# KiCad board ciaa_acc.kicad_pcb (continued)
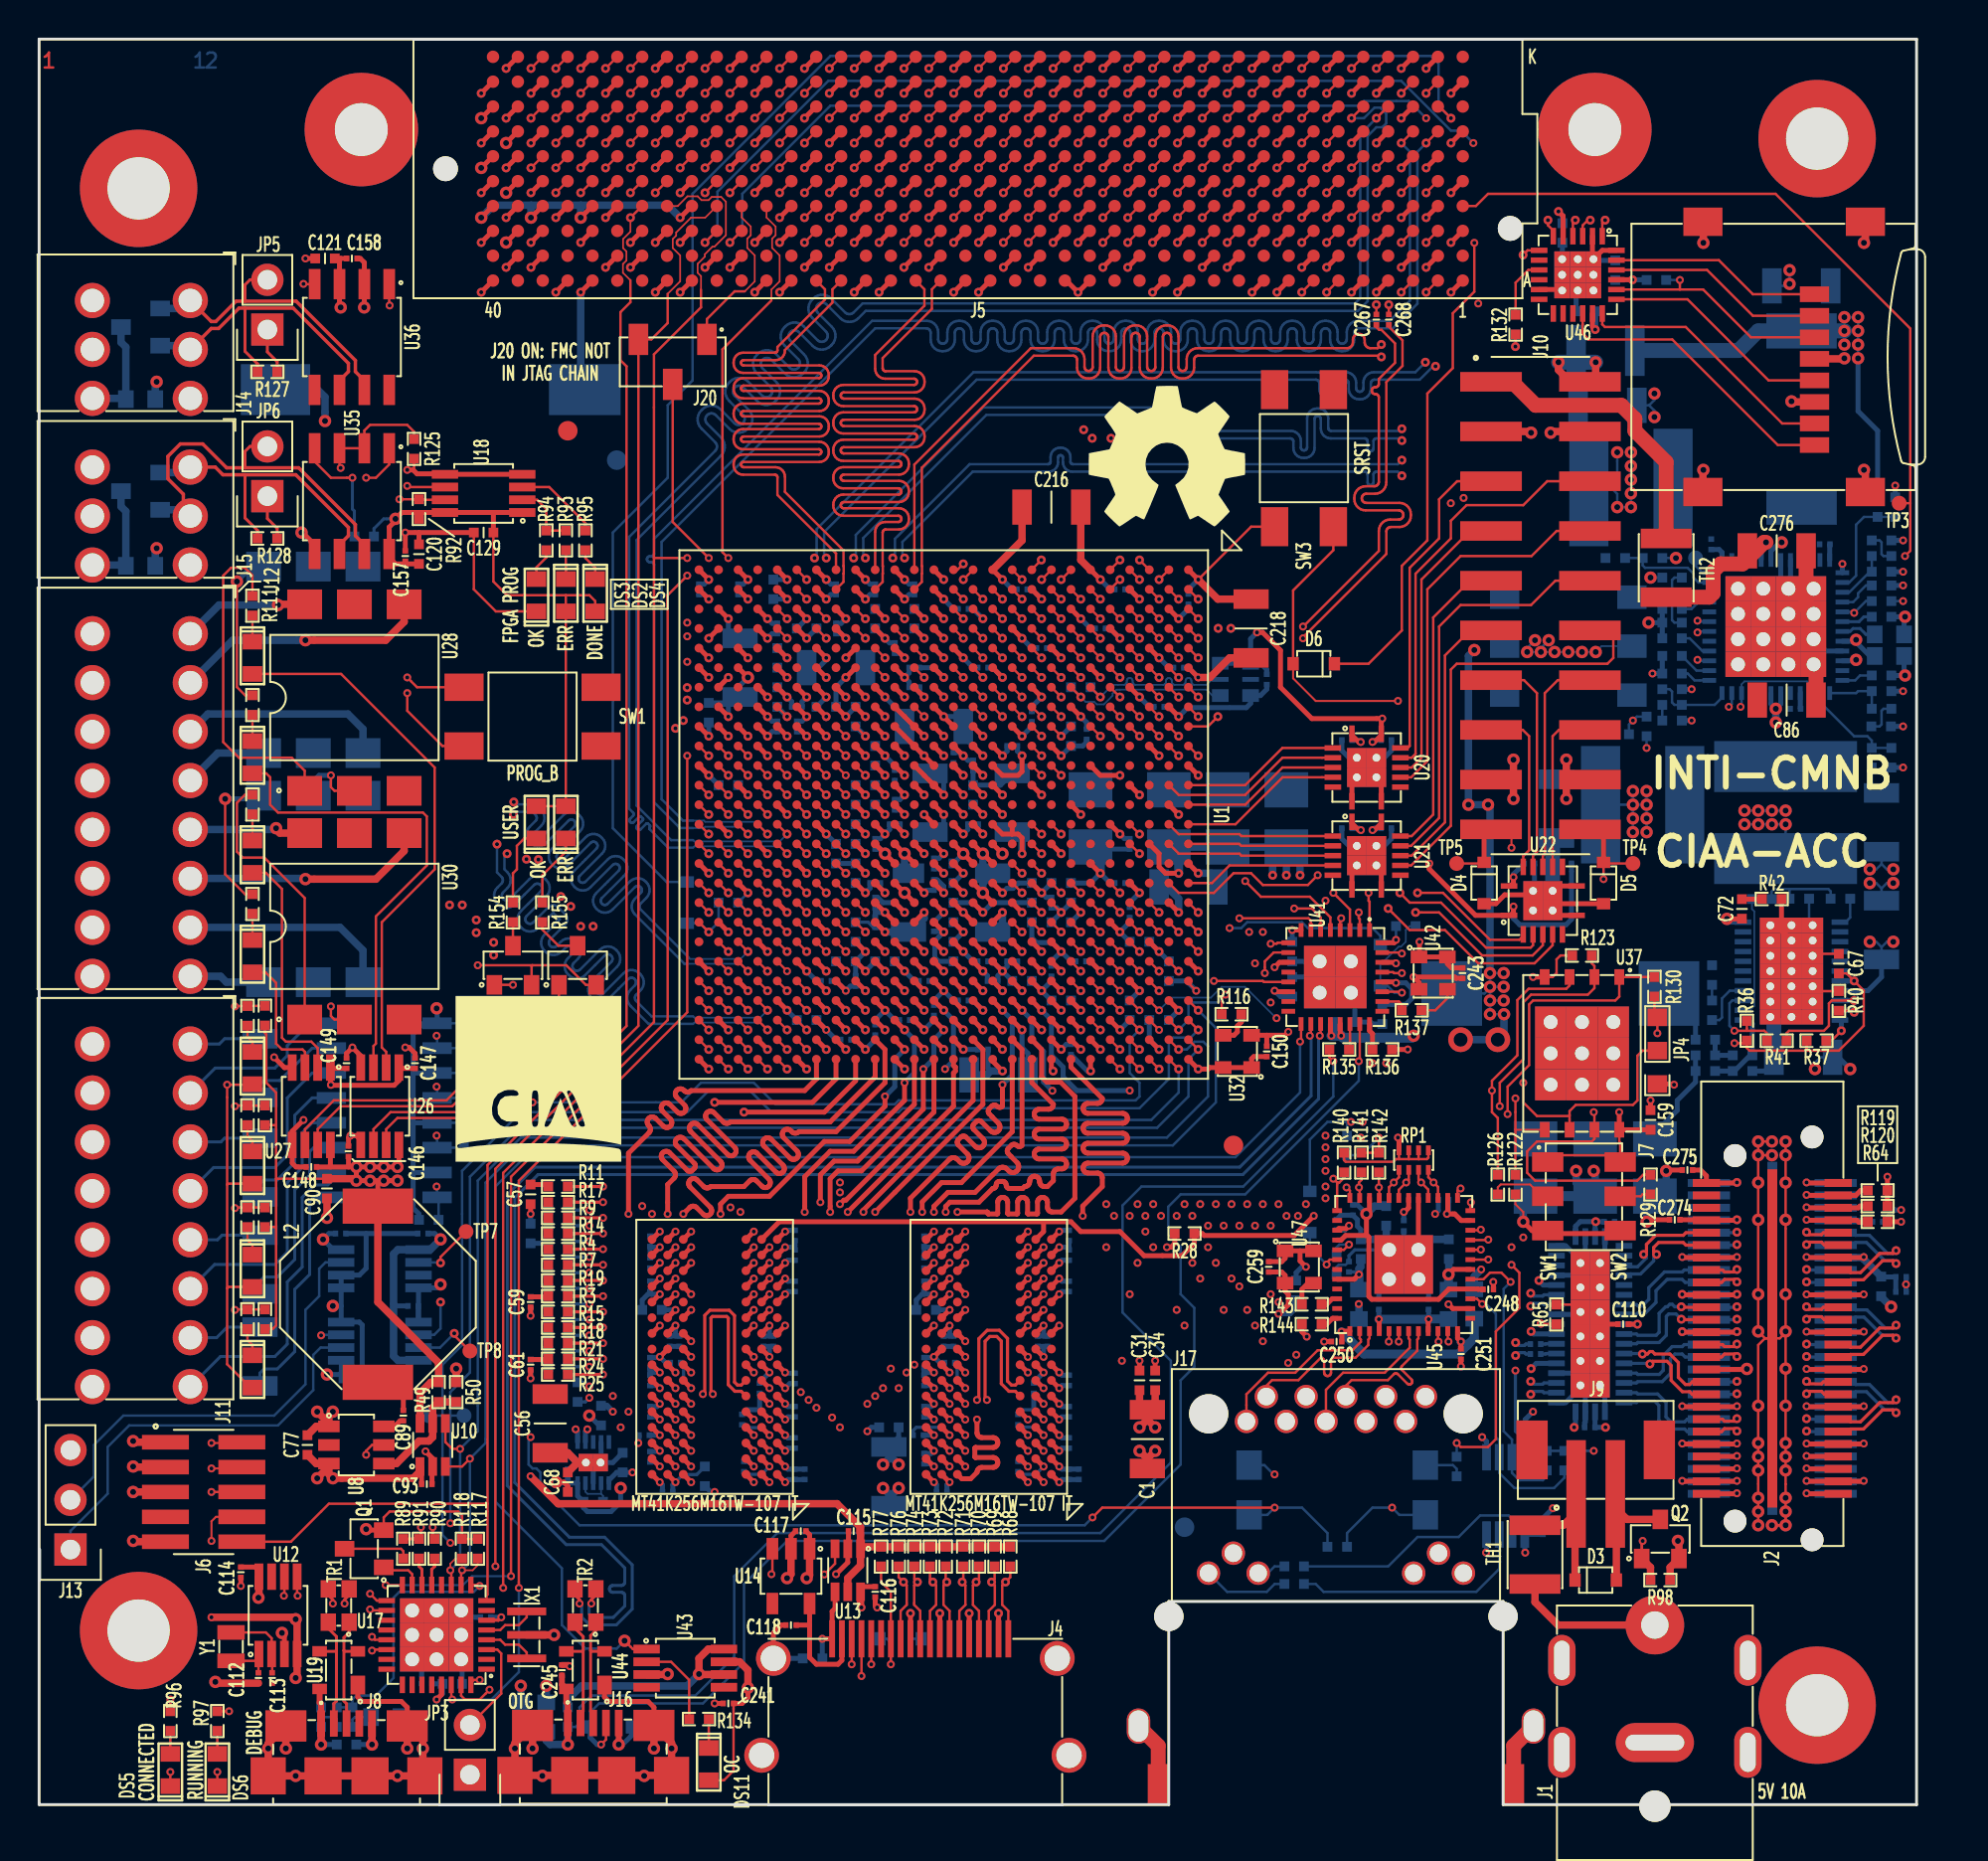
[diagram p0: board, top side]
## Routing (per net, layer and track width the routed paths; a pad name or vN(x,y) marks a point on that pad's centre or on a via; arc(x,y) is an arc through that point) (continued)
/Principal/BANKS_HP/FMC_HA_11_N: length 54.4
  TOP_L1.Sig w0.127: U1.E8 v2(55.2,55.57) ; v2(56.87,87.4) 57.46,88 J5.J13
  L3.Sig w0.089: v2(56.87,87.4) 57.36,86.91 57.36,76.68 63.84,70.2 63.84,68.86 63.68,68.86 63.63,68.86 63.57,68.84 63.52,68.8 63.48,68.76 63.45,68.71 63.43,68.66 63.42,68.6 63.42,68.24 63.43,68.19 63.45,68.13 63.48,68.08 63.52,68.04 63.57,68.01 63.63,67.99 63.68,67.98 64.26,67.98 64.26,67.66 63.98,67.66 63.98,67.66 63.69,67.66 63.63,67.66 63.57,67.64 63.52,67.6 63.48,67.56 63.45,67.51 63.43,67.46 63.42,67.4 63.42,67.04 63.43,66.99 63.45,66.93 63.48,66.88 63.52,66.84 63.57,66.81 63.63,66.79 63.69,66.78 64.26,66.78 64.26,66.46 63.98,66.46 63.98,66.46 63.69,66.46 63.63,66.46 63.57,66.44 63.52,66.4 63.48,66.36 63.45,66.31 63.43,66.26 63.42,66.2 63.42,65.84 63.43,65.79 63.45,65.73 63.48,65.68 63.52,65.64 63.57,65.61 63.63,65.59 63.69,65.58 64.26,65.58 64.26,65.26 63.98,65.26 63.98,65.26 63.69,65.26 63.63,65.26 63.57,65.24 63.52,65.2 63.48,65.16 63.45,65.11 63.43,65.06 63.42,65 63.42,64.64 63.43,64.59 63.45,64.53 63.48,64.48 63.52,64.44 63.57,64.41 63.63,64.39 63.69,64.38 64.26,64.38 64.26,64.06 63.98,64.06 63.98,64.06 63.69,64.06 63.63,64.06 63.57,64.04 63.52,64 63.48,63.96 63.45,63.91 63.43,63.86 63.42,63.8 63.42,63.44 63.43,63.39 63.45,63.33 63.48,63.28 63.52,63.24 63.57,63.21 63.63,63.19 63.69,63.18 64.26,63.18 64.26,62.86 63.98,62.86 63.98,62.86 63.69,62.86 63.63,62.86 63.57,62.84 63.52,62.8 63.48,62.76 63.45,62.71 63.43,62.66 63.42,62.6 63.42,62.24 63.43,62.19 63.45,62.13 63.48,62.08 63.52,62.04 63.57,62.01 63.63,61.99 63.69,61.98 64.26,61.98 64.26,61.66 63.98,61.66 63.98,61.66 63.69,61.66 63.63,61.66 63.57,61.64 63.52,61.6 63.48,61.56 63.45,61.51 63.43,61.46 63.42,61.4 63.42,61.04 63.43,60.99 63.45,60.93 63.48,60.88 63.52,60.84 63.57,60.81 63.63,60.79 63.69,60.78 63.84,60.78 63.84,60.27 63.84,59.9 63.84,59.88 63.83,59.86 63.82,59.84 63.81,59.83 63.79,59.82 63.77,59.81 63.75,59.81 63.52,59.81 63.5,59.8 63.48,59.8 63.47,59.79 63.45,59.77 63.44,59.76 63.44,59.74 63.43,59.72 63.44,59.7 63.44,59.68 63.45,59.66 63.47,59.65 63.48,59.64 63.5,59.63 63.52,59.63 63.75,59.63 63.77,59.63 63.79,59.62 63.81,59.61 63.82,59.6 63.83,59.58 63.84,59.56 63.84,59.54 63.84,59.52 63.83,59.5 63.82,59.48 63.81,59.47 63.79,59.46 63.77,59.45 63.75,59.45 63.52,59.45 63.5,59.45 63.48,59.44 63.47,59.43 63.45,59.42 63.44,59.4 63.44,59.38 63.43,59.36 63.44,59.34 63.44,59.32 63.45,59.31 63.47,59.29 63.48,59.28 63.5,59.28 63.52,59.27 63.75,59.27 63.77,59.27 63.79,59.26 63.81,59.25 63.82,59.24 63.83,59.22 63.84,59.2 63.84,59.18 63.84,59.16 63.83,59.15 63.82,59.13 63.81,59.12 63.79,59.1 63.77,59.1 63.75,59.1 63.52,59.1 63.5,59.09 63.48,59.09 63.47,59.08 63.45,59.06 63.44,59.05 63.44,59.03 63.43,59.01 63.44,58.99 63.44,58.97 63.45,58.95 63.47,58.94 63.48,58.93 63.5,58.92 63.52,58.92 63.75,58.92 63.77,58.92 63.79,58.91 63.81,58.9 63.82,58.88 63.83,58.87 63.84,58.85 63.84,58.83 63.84,58.63 61.42,56.21 60.5,56.21 60.48,56.19 55.82,56.19 v2(55.2,55.57)
/Principal/BANKS_HP/FMC_HA_11_P: length 54.4
  TOP_L1.Sig w0.127: U1.F9 v2(54.2,54.57) ; v2(58.14,87.4) 58.73,88 J5.J12
  L3.Sig w0.089: v2(54.2,54.57) 54.7,55.07 55.4,55.07 55.7,55.37 55.7,55.72 55.93,55.95 60.48,55.95 60.5,55.93 61.53,55.93 64.12,58.52 64.12,60.8 64.11,60.86 64.09,60.91 64.06,60.96 64.02,61 63.97,61.03 63.92,61.05 63.86,61.06 63.7,61.06 63.7,61.38 64.27,61.38 64.33,61.39 64.39,61.41 64.44,61.44 64.48,61.48 64.51,61.53 64.53,61.59 64.54,61.64 64.54,62 64.53,62.06 64.51,62.11 64.48,62.16 64.44,62.2 64.39,62.24 64.33,62.26 64.27,62.26 63.98,62.26 63.98,62.26 63.7,62.26 63.7,62.58 64.27,62.58 64.33,62.59 64.39,62.61 64.44,62.64 64.48,62.68 64.51,62.73 64.53,62.79 64.54,62.84 64.54,63.2 64.53,63.26 64.51,63.31 64.48,63.36 64.44,63.4 64.39,63.44 64.33,63.46 64.27,63.46 63.98,63.46 63.98,63.46 63.7,63.46 63.7,63.78 64.27,63.78 64.33,63.79 64.39,63.81 64.44,63.84 64.48,63.88 64.51,63.93 64.53,63.99 64.54,64.04 64.54,64.4 64.53,64.46 64.51,64.51 64.48,64.56 64.44,64.6 64.39,64.64 64.33,64.66 64.27,64.66 63.98,64.66 63.98,64.66 63.7,64.66 63.7,64.98 64.27,64.98 64.33,64.99 64.39,65.01 64.44,65.04 64.48,65.08 64.51,65.13 64.53,65.19 64.54,65.24 64.54,65.6 64.53,65.66 64.51,65.71 64.48,65.76 64.44,65.8 64.39,65.84 64.33,65.86 64.27,65.86 63.98,65.86 63.98,65.86 63.7,65.86 63.7,66.18 64.27,66.18 64.33,66.19 64.39,66.21 64.44,66.24 64.48,66.28 64.51,66.33 64.53,66.39 64.54,66.44 64.54,66.8 64.53,66.86 64.51,66.91 64.48,66.96 64.44,67 64.39,67.04 64.33,67.06 64.27,67.06 63.98,67.06 63.98,67.06 63.7,67.06 63.7,67.38 64.27,67.38 64.33,67.39 64.39,67.41 64.44,67.44 64.48,67.48 64.51,67.53 64.53,67.59 64.54,67.64 64.54,68 64.53,68.06 64.51,68.11 64.48,68.16 64.44,68.2 64.39,68.24 64.33,68.26 64.27,68.26 63.98,68.26 63.98,68.26 63.7,68.26 63.7,68.58 63.86,68.58 63.92,68.59 63.97,68.61 64.02,68.64 64.06,68.68 64.09,68.73 64.11,68.79 64.12,68.85 64.12,70.32 57.64,76.79 57.64,86.91 v2(58.14,87.4)
/Principal/BANKS_HP/FMC_HA_12_N: length 54.3
  TOP_L1.Sig w0.127: v2(55.6,83.59) 56.19,84.19 J5.F14 ; U1.A8 v2(59.2,55.57)
  L5.Sig w0.089: v2(55.6,83.59) 56.09,83.1 56.09,77.36 56.09,77.34 56.08,77.31 56.07,77.29 56.05,77.27 56.02,77.25 56,77.24 55.97,77.24 55.94,77.24 55.91,77.23 55.88,77.23 55.86,77.21 55.84,77.19 55.82,77.17 55.81,77.14 55.81,77.11 55.81,77.09 55.82,77.06 55.84,77.04 55.86,77.02 55.88,77 55.91,76.99 55.94,76.99 55.97,76.99 56,76.98 56.02,76.98 56.05,76.96 56.07,76.94 56.08,76.92 56.09,76.89 56.09,76.86 56.09,76.17 57.92,74.34 57.99,74.29 58.07,74.25 58.17,74.23 58.26,74.23 58.35,74.25 58.43,74.29 58.5,74.34 58.89,74.73 58.91,74.75 58.95,74.76 58.98,74.77 59.02,74.77 59.05,74.76 59.08,74.75 59.11,74.73 59.14,74.7 59.15,74.67 59.16,74.63 59.16,74.6 59.15,74.56 59.14,74.53 59.11,74.5 58.73,74.12 58.67,74.05 58.63,73.96 58.61,73.87 58.61,73.78 58.63,73.69 58.67,73.6 58.73,73.53 58.77,73.5 58.84,73.44 58.92,73.4 59.01,73.38 59.11,73.38 59.2,73.4 59.28,73.44 59.35,73.5 59.73,73.88 59.76,73.9 59.8,73.92 59.83,73.92 59.87,73.92 59.9,73.92 59.93,73.9 59.96,73.88 59.98,73.85 60,73.82 60.01,73.78 60.01,73.75 60,73.71 59.98,73.68 59.96,73.65 59.58,73.27 59.52,73.2 59.48,73.11 59.46,73.02 59.46,72.93 59.48,72.84 59.52,72.76 59.58,72.68 59.62,72.65 59.69,72.59 59.77,72.55 59.86,72.53 59.95,72.53 60.05,72.55 60.13,72.59 60.2,72.65 60.58,73.03 60.61,73.05 60.64,73.07 60.68,73.08 60.71,73.08 60.75,73.07 60.78,73.05 60.81,73.03 60.83,73 60.85,72.97 60.86,72.93 60.86,72.9 60.85,72.86 60.83,72.83 60.81,72.8 60.43,72.42 60.37,72.35 60.33,72.27 60.31,72.17 60.31,72.08 60.33,71.99 60.37,71.91 60.43,71.84 60.46,71.8 60.54,71.74 60.62,71.7 60.71,71.68 60.8,71.68 60.89,71.7 60.98,71.74 61.05,71.8 61.43,72.18 61.46,72.2 61.49,72.22 61.53,72.23 61.56,72.23 61.6,72.22 61.63,72.2 61.66,72.18 61.68,72.15 61.7,72.12 61.7,72.09 61.7,72.05 61.7,72.01 61.68,71.98 61.66,71.95 60.56,70.86 60.5,70.78 60.46,70.7 60.44,70.61 60.44,70.52 60.46,70.43 60.5,70.34 60.56,70.27 60.6,70.23 60.67,70.18 60.75,70.14 60.84,70.11 60.93,70.11 61.03,70.14 61.11,70.18 61.18,70.23 62.28,71.33 62.31,71.35 62.34,71.37 62.38,71.38 62.41,71.38 62.45,71.37 62.48,71.35 62.51,71.33 62.53,71.3 62.54,71.27 62.55,71.24 62.55,71.2 62.54,71.17 62.53,71.13 62.51,71.11 61.41,70.01 61.35,69.93 61.31,69.85 61.29,69.76 61.29,69.67 61.31,69.58 61.35,69.49 61.41,69.42 61.44,69.38 61.52,69.33 61.6,69.29 61.69,69.27 61.78,69.27 61.87,69.29 61.96,69.33 62.03,69.38 63.13,70.48 63.16,70.51 63.19,70.52 63.22,70.53 63.26,70.53 63.3,70.52 63.33,70.51 63.36,70.48 63.38,70.46 63.39,70.42 63.4,70.39 63.4,70.35 63.39,70.32 63.38,70.29 63.36,70.26 62.26,69.16 62.2,69.09 62.16,69 62.14,68.91 62.14,68.82 62.16,68.73 62.2,68.64 62.26,68.57 62.29,68.54 62.36,68.48 62.45,68.44 62.54,68.42 62.63,68.42 62.72,68.44 62.81,68.48 62.88,68.54 63.98,69.64 64.01,69.66 64.04,69.67 64.07,69.68 64.11,69.68 64.14,69.67 64.18,69.66 64.2,69.64 64.23,69.61 64.24,69.58 64.25,69.54 64.25,69.5 64.24,69.47 64.23,69.44 64.2,69.41 63.82,69.03 63.76,68.95 63.72,68.87 63.7,68.78 63.7,68.69 63.72,68.6 63.76,68.51 63.82,68.44 63.84,68.42 63.84,58.76 61.05,55.97 60.05,55.97 59.65,55.57 v2(59.2,55.57)
/Principal/BANKS_HP/FMC_HA_12_P: length 54.3
  TOP_L1.Sig w0.127: v2(60.2,55.57) 59.7,55.07 U1.A9 ; J5.F13 57.46,84.19 v2(56.87,83.59)
  L5.Sig w0.089: v2(56.87,83.59) 56.37,83.1 56.37,76.29 58.1,74.56 58.13,74.54 58.16,74.52 58.19,74.51 58.23,74.51 58.26,74.52 58.3,74.54 58.32,74.56 58.71,74.94 58.78,75 58.86,75.04 58.95,75.06 59.05,75.06 59.14,75.04 59.22,75 59.29,74.94 59.33,74.91 59.39,74.83 59.43,74.75 59.45,74.66 59.45,74.57 59.43,74.48 59.39,74.39 59.33,74.32 58.95,73.94 58.92,73.91 58.91,73.88 58.9,73.84 58.9,73.81 58.91,73.77 58.92,73.74 58.95,73.71 58.97,73.69 59.01,73.67 59.04,73.67 59.08,73.67 59.11,73.67 59.15,73.69 59.17,73.71 59.56,74.09 59.63,74.15 59.71,74.19 59.8,74.21 59.89,74.21 59.98,74.19 60.07,74.15 60.14,74.09 60.18,74.06 60.23,73.99 60.28,73.9 60.3,73.81 60.3,73.72 60.28,73.63 60.23,73.54 60.18,73.47 59.8,73.09 59.77,73.06 59.76,73.03 59.75,72.99 59.75,72.96 59.76,72.92 59.77,72.89 59.8,72.86 59.82,72.84 59.86,72.83 59.89,72.82 59.93,72.82 59.96,72.83 59.99,72.84 60.02,72.86 60.4,73.25 60.48,73.3 60.56,73.34 60.65,73.36 60.74,73.36 60.83,73.34 60.92,73.3 60.99,73.25 61.03,73.21 61.08,73.14 61.12,73.05 61.14,72.96 61.14,72.87 61.12,72.78 61.08,72.7 61.03,72.62 60.64,72.24 60.62,72.21 60.61,72.18 60.6,72.15 60.6,72.11 60.61,72.08 60.62,72.04 60.64,72.01 60.67,71.99 60.7,71.98 60.74,71.97 60.78,71.97 60.81,71.98 60.84,71.99 60.87,72.01 61.25,72.4 61.32,72.45 61.41,72.49 61.5,72.52 61.59,72.52 61.68,72.49 61.77,72.45 61.84,72.4 61.87,72.36 61.93,72.29 61.97,72.2 61.99,72.11 61.99,72.02 61.97,71.93 61.93,71.85 61.87,71.77 60.77,70.68 60.75,70.65 60.74,70.62 60.73,70.58 60.73,70.54 60.74,70.51 60.75,70.48 60.77,70.45 60.8,70.43 60.84,70.41 60.87,70.4 60.91,70.4 60.94,70.41 60.97,70.43 61,70.45 62.1,71.55 62.17,71.61 62.26,71.65 62.35,71.67 62.44,71.67 62.53,71.65 62.61,71.61 62.69,71.55 62.72,71.51 62.78,71.44 62.82,71.36 62.84,71.27 62.84,71.17 62.82,71.08 62.78,71 62.72,70.93 61.62,69.83 61.6,69.8 61.59,69.77 61.58,69.73 61.58,69.7 61.59,69.66 61.6,69.63 61.62,69.6 61.65,69.58 61.68,69.56 61.72,69.55 61.75,69.55 61.79,69.56 61.82,69.58 61.85,69.6 62.95,70.7 63.02,70.76 63.11,70.8 63.2,70.82 63.29,70.82 63.38,70.8 63.46,70.76 63.54,70.7 63.57,70.66 63.63,70.59 63.67,70.51 63.69,70.42 63.69,70.32 63.67,70.23 63.63,70.15 63.57,70.08 62.47,68.98 62.45,68.95 62.43,68.92 62.43,68.88 62.43,68.85 62.43,68.81 62.45,68.78 62.47,68.75 62.5,68.73 62.53,68.71 62.57,68.71 62.6,68.71 62.64,68.71 62.67,68.73 62.7,68.75 63.8,69.85 63.87,69.91 63.95,69.95 64.04,69.97 64.14,69.97 64.23,69.95 64.31,69.91 64.38,69.85 64.42,69.82 64.48,69.74 64.52,69.66 64.54,69.57 64.54,69.48 64.52,69.39 64.48,69.3 64.42,69.23 64.04,68.85 64.02,68.82 64,68.79 63.99,68.75 63.99,68.72 64,68.68 64.02,68.65 64.04,68.62 64.12,68.54 64.12,58.64 61.15,55.67 60.62,55.67 60.52,55.57 v2(60.2,55.57)
/Principal/BANKS_HP/FMC_HA_13_N: length 54.3
  TOP_L1.Sig w0.127: v2(56.87,82.32) 57.46,82.92 J5.E13 ; U1.J9 v2(51.2,54.57)
  L5.Sig w0.089: v2(56.87,82.32) 57.36,81.83 57.36,78.43 57.36,78.38 57.34,78.34 57.32,78.3 57.29,78.27 57.25,78.24 57.21,78.23 57.16,78.22 57.16,78.22 57.11,78.22 57.07,78.21 57.03,78.18 57,78.15 56.98,78.11 56.96,78.07 56.96,78.03 56.96,77.98 56.98,77.94 57,77.9 57.03,77.87 57.07,77.84 57.11,77.83 57.16,77.83 57.16,77.83 57.21,77.82 57.25,77.81 57.29,77.78 57.32,77.75 57.34,77.71 57.36,77.67 57.36,77.62 57.36,76.68 58.08,75.96 58.72,75.96 59.91,74.77 59.98,74.71 60.07,74.67 60.16,74.65 60.25,74.65 60.34,74.67 60.42,74.71 60.5,74.77 60.81,75.08 60.84,75.1 60.87,75.12 60.91,75.13 60.94,75.13 60.98,75.12 61.01,75.1 61.04,75.08 61.06,75.05 61.08,75.02 61.08,74.99 61.08,74.95 61.08,74.91 61.06,74.88 61.04,74.85 60.72,74.54 60.66,74.47 60.62,74.38 60.6,74.29 60.6,74.2 60.62,74.11 60.66,74.03 60.72,73.95 60.76,73.92 60.83,73.86 60.91,73.82 61.01,73.8 61.1,73.8 61.19,73.82 61.27,73.86 61.34,73.92 61.66,74.23 61.69,74.25 61.72,74.27 61.75,74.28 61.79,74.28 61.83,74.27 61.86,74.25 61.89,74.23 61.91,74.2 61.92,74.17 61.93,74.14 61.93,74.1 61.92,74.07 61.91,74.03 61.89,74.01 61.57,73.69 61.51,73.62 61.47,73.53 61.45,73.44 61.45,73.35 61.47,73.26 61.51,73.18 61.57,73.11 61.61,73.07 61.68,73.01 61.76,72.97 61.85,72.95 61.95,72.95 62.04,72.97 62.12,73.01 62.19,73.07 62.51,73.38 62.54,73.41 62.57,73.42 62.6,73.43 62.64,73.43 62.67,73.42 62.71,73.41 62.73,73.38 62.76,73.36 62.77,73.32 62.78,73.29 62.78,73.25 62.77,73.22 62.76,73.19 62.73,73.16 62.42,72.84 62.36,72.77 62.32,72.69 62.3,72.6 62.3,72.5 62.32,72.41 62.36,72.33 62.42,72.26 62.46,72.22 62.53,72.16 62.61,72.12 62.7,72.1 62.8,72.1 62.89,72.12 62.97,72.16 63.04,72.22 63.36,72.54 63.38,72.56 63.42,72.57 63.45,72.58 63.49,72.58 63.52,72.57 63.55,72.56 63.58,72.54 63.61,72.51 63.62,72.47 63.63,72.44 63.63,72.4 63.62,72.37 63.61,72.34 63.58,72.31 63.27,71.99 63.21,71.92 63.17,71.84 63.15,71.75 63.15,71.65 63.17,71.56 63.21,71.48 63.27,71.41 63.3,71.37 63.38,71.31 63.46,71.27 63.55,71.25 63.64,71.25 63.73,71.27 63.82,71.31 63.89,71.37 64.2,71.69 64.23,71.71 64.27,71.72 64.3,71.73 64.34,71.73 64.37,71.72 64.4,71.71 64.43,71.69 64.45,71.66 64.47,71.63 64.48,71.59 64.48,71.56 64.47,71.52 64.45,71.49 64.43,71.46 64.12,71.15 64.06,71.07 64.02,70.99 64,70.9 64,70.81 64.02,70.72 64.06,70.63 64.12,70.56 64.15,70.52 64.23,70.47 64.31,70.43 64.4,70.4 64.49,70.4 64.58,70.43 64.67,70.47 64.74,70.52 65.05,70.84 65.08,70.86 65.11,70.88 65.15,70.88 65.18,70.88 65.22,70.88 65.25,70.86 65.28,70.84 65.3,70.81 65.32,70.78 65.33,70.74 65.33,70.71 65.32,70.67 65.3,70.64 65.28,70.61 64.97,70.3 64.91,70.22 64.87,70.14 64.85,70.05 64.85,69.96 64.87,69.87 64.91,69.78 64.97,69.71 64.98,69.69 64.98,58.89 61.31,55.21 60.52,55.21 60.5,55.19 53.56,55.19 52.56,54.19 51.58,54.19 v2(51.2,54.57)
/Principal/BANKS_HP/FMC_HA_13_P: length 54.3
  TOP_L1.Sig w0.127: U1.J10 v2(51.2,53.57) ; J5.E12 58.73,82.92 v2(58.14,82.32)
  L5.Sig w0.089: v2(51.2,53.57) 51.58,53.95 52.66,53.95 53.66,54.95 60.5,54.95 60.52,54.93 61.42,54.93 65.26,58.77 65.26,69.81 65.18,69.89 65.16,69.92 65.14,69.95 65.13,69.99 65.13,70.02 65.14,70.06 65.16,70.09 65.18,70.12 65.5,70.43 65.55,70.5 65.59,70.59 65.61,70.68 65.61,70.77 65.59,70.86 65.55,70.95 65.5,71.02 65.46,71.05 65.39,71.11 65.3,71.15 65.21,71.17 65.12,71.17 65.03,71.15 64.95,71.11 64.87,71.05 64.56,70.74 64.53,70.72 64.5,70.7 64.46,70.69 64.43,70.69 64.39,70.7 64.36,70.72 64.33,70.74 64.31,70.77 64.29,70.8 64.29,70.83 64.29,70.87 64.29,70.91 64.31,70.94 64.33,70.97 64.65,71.28 64.7,71.35 64.74,71.44 64.77,71.53 64.77,71.62 64.74,71.71 64.7,71.79 64.65,71.87 64.61,71.9 64.54,71.96 64.45,72 64.36,72.02 64.27,72.02 64.18,72 64.1,71.96 64.03,71.9 63.71,71.59 63.68,71.57 63.65,71.55 63.62,71.54 63.58,71.54 63.54,71.55 63.51,71.57 63.48,71.59 63.46,71.62 63.45,71.65 63.44,71.68 63.44,71.72 63.45,71.75 63.46,71.79 63.48,71.81 63.8,72.13 63.86,72.2 63.9,72.29 63.92,72.38 63.92,72.47 63.9,72.56 63.86,72.64 63.8,72.71 63.76,72.75 63.69,72.81 63.61,72.85 63.52,72.87 63.42,72.87 63.33,72.85 63.25,72.81 63.18,72.75 62.86,72.44 62.83,72.41 62.8,72.4 62.77,72.39 62.73,72.39 62.7,72.4 62.66,72.41 62.64,72.44 62.61,72.46 62.6,72.5 62.59,72.53 62.59,72.57 62.6,72.6 62.61,72.63 62.64,72.66 62.95,72.98 63.01,73.05 63.05,73.13 63.07,73.22 63.07,73.32 63.05,73.41 63.01,73.49 62.95,73.56 62.91,73.6 62.84,73.66 62.76,73.7 62.67,73.72 62.57,73.72 62.48,73.7 62.4,73.66 62.33,73.6 62.01,73.28 61.99,73.26 61.95,73.25 61.92,73.24 61.88,73.24 61.85,73.25 61.81,73.26 61.79,73.28 61.76,73.31 61.75,73.35 61.74,73.38 61.74,73.42 61.75,73.45 61.76,73.48 61.79,73.51 62.1,73.83 62.16,73.9 62.2,73.98 62.22,74.07 62.22,74.17 62.2,74.26 62.16,74.34 62.1,74.41 62.07,74.45 61.99,74.51 61.91,74.55 61.82,74.57 61.73,74.57 61.64,74.55 61.55,74.51 61.48,74.45 61.16,74.13 61.14,74.11 61.1,74.1 61.07,74.09 61.03,74.09 61,74.1 60.97,74.11 60.94,74.13 60.92,74.16 60.9,74.19 60.89,74.23 60.89,74.26 60.9,74.3 60.92,74.33 60.94,74.36 61.25,74.67 61.31,74.75 61.35,74.83 61.37,74.92 61.37,75.01 61.35,75.1 61.31,75.19 61.25,75.26 61.22,75.3 61.14,75.35 61.06,75.39 60.97,75.42 60.88,75.42 60.79,75.39 60.7,75.35 60.63,75.3 60.32,74.98 60.29,74.96 60.26,74.94 60.22,74.94 60.19,74.94 60.15,74.94 60.12,74.96 60.09,74.98 58.83,76.24 58.2,76.24 57.64,76.79 57.64,81.83 v2(58.14,82.32)
/Principal/BANKS_HP/FMC_HA_14_N: length 54.4
  TOP_L1.Sig w0.127: J5.J16 53.65,88 v2(53.06,87.4) ; U1.A5 v2(59.2,58.57)
  L3.Sig w0.089: v2(53.06,87.4) 53.55,86.91 53.55,79.28 53.55,79.24 53.54,79.21 53.52,79.18 53.5,79.16 53.47,79.14 53.44,79.13 53.4,79.13 53.18,79.13 53.14,79.12 53.11,79.11 53.08,79.09 53.06,79.07 53.04,79.04 53.03,79.01 53.03,78.98 53.03,78.94 53.04,78.91 53.06,78.88 53.08,78.86 53.11,78.84 53.14,78.83 53.18,78.83 53.4,78.83 53.44,78.82 53.47,78.81 53.5,78.79 53.52,78.77 53.54,78.74 53.55,78.71 53.55,78.68 53.55,78.64 53.54,78.61 53.52,78.58 53.5,78.56 53.47,78.54 53.44,78.53 53.4,78.53 53.18,78.53 53.14,78.52 53.11,78.51 53.08,78.49 53.06,78.47 53.04,78.44 53.03,78.41 53.03,78.38 53.03,78.34 53.04,78.31 53.06,78.28 53.08,78.26 53.11,78.24 53.14,78.23 53.18,78.23 53.4,78.23 53.44,78.22 53.47,78.21 53.5,78.19 53.52,78.17 53.54,78.14 53.55,78.11 53.55,78.08 53.55,76.55 58.9,71.2 58.97,71.15 59.06,71.11 59.15,71.09 59.24,71.09 59.33,71.11 59.41,71.15 59.49,71.2 59.67,71.38 59.69,71.41 59.73,71.42 59.76,71.43 59.8,71.43 59.83,71.42 59.86,71.41 59.89,71.38 59.91,71.36 59.93,71.32 59.94,71.29 59.94,71.25 59.93,71.22 59.91,71.19 59.89,71.16 59.31,70.57 59.27,70.52 59.24,70.47 59.23,70.41 59.23,70.35 59.24,70.29 59.27,70.24 59.31,70.19 59.55,69.95 59.6,69.91 59.65,69.89 59.71,69.87 59.77,69.87 59.83,69.89 59.88,69.91 59.93,69.95 60.51,70.54 60.54,70.56 60.57,70.57 60.61,70.58 60.64,70.58 60.68,70.57 60.71,70.56 60.74,70.54 60.76,70.51 60.78,70.48 60.79,70.44 60.79,70.4 60.78,70.37 60.76,70.34 60.74,70.31 60.04,69.61 59.98,69.54 59.95,69.46 59.92,69.37 59.92,69.28 59.95,69.19 59.98,69.1 60.04,69.03 60.09,68.99 60.16,68.93 60.24,68.89 60.33,68.87 60.42,68.87 60.51,68.89 60.59,68.93 60.66,68.99 61.36,69.69 61.39,69.71 61.42,69.73 61.46,69.73 61.49,69.73 61.53,69.73 61.56,69.71 61.59,69.69 61.61,69.66 61.63,69.63 61.63,69.59 61.63,69.56 61.63,69.52 61.61,69.49 61.59,69.46 61.41,69.28 61.35,69.21 61.31,69.12 61.29,69.03 61.29,68.94 61.31,68.85 61.35,68.77 61.41,68.7 61.43,68.68 61.43,67.91 61.42,67.88 61.41,67.84 61.39,67.81 61.37,67.79 61.34,67.77 61.3,67.76 61.27,67.75 61.01,67.75 60.92,67.74 60.83,67.71 60.75,67.66 60.69,67.6 60.64,67.52 60.61,67.43 60.6,67.34 60.6,67.29 60.61,67.19 60.64,67.11 60.69,67.03 60.75,66.96 60.83,66.91 60.92,66.88 61.01,66.87 62.1,66.87 62.13,66.87 62.16,66.86 62.2,66.84 62.22,66.81 62.24,66.78 62.25,66.75 62.26,66.71 62.25,66.68 62.24,66.64 62.22,66.61 62.2,66.59 62.16,66.57 62.13,66.56 62.1,66.55 61.01,66.55 60.92,66.54 60.83,66.51 60.75,66.46 60.69,66.4 60.64,66.32 60.61,66.23 60.6,66.14 60.6,66.09 60.61,65.99 60.64,65.91 60.69,65.83 60.75,65.76 60.83,65.71 60.92,65.68 61.01,65.67 62.1,65.67 62.13,65.67 62.16,65.66 62.2,65.64 62.22,65.61 62.24,65.58 62.25,65.55 62.26,65.51 62.25,65.48 62.24,65.44 62.22,65.41 62.2,65.39 62.16,65.37 62.13,65.36 62.1,65.35 61.01,65.35 60.92,65.34 60.83,65.31 60.75,65.26 60.69,65.2 60.64,65.12 60.61,65.03 60.6,64.94 60.6,64.89 60.61,64.79 60.64,64.71 60.69,64.63 60.75,64.56 60.83,64.51 60.92,64.48 61.01,64.47 62.1,64.47 62.13,64.47 62.16,64.46 62.2,64.44 62.22,64.41 62.24,64.38 62.25,64.35 62.26,64.31 62.25,64.28 62.24,64.24 62.22,64.21 62.2,64.19 62.16,64.17 62.13,64.16 62.1,64.15 61.01,64.15 60.92,64.14 60.83,64.11 60.75,64.06 60.69,64 60.64,63.92 60.61,63.83 60.6,63.74 60.6,63.69 60.61,63.59 60.64,63.51 60.69,63.43 60.75,63.36 60.83,63.31 60.92,63.28 61.01,63.27 62.1,63.27 62.13,63.27 62.16,63.26 62.2,63.24 62.22,63.21 62.24,63.18 62.25,63.15 62.26,63.11 62.25,63.08 62.24,63.04 62.22,63.01 62.2,62.99 62.16,62.97 62.13,62.96 62.1,62.95 61.84,62.95 61.75,62.94 61.66,62.91 61.58,62.86 61.52,62.8 61.47,62.72 61.44,62.63 61.43,62.54 61.43,59.52 60.12,58.21 59.66,58.21 59.3,58.57 v2(59.2,58.57)
/Principal/BANKS_HP/FMC_HA_14_P: length 54.4
  TOP_L1.Sig w0.127: v2(54.33,87.4) 54.92,88 J5.J15 ; U1.B6 v2(58.2,57.57)
  L3.Sig w0.089: v2(58.2,57.57) 58.7,58.07 59.4,58.07 59.54,57.93 60.23,57.93 61.71,59.41 61.71,62.51 61.71,62.55 61.72,62.58 61.74,62.61 61.77,62.64 61.8,62.66 61.83,62.67 61.87,62.67 62.12,62.67 62.21,62.68 62.3,62.71 62.38,62.76 62.44,62.83 62.49,62.91 62.52,62.99 62.54,63.09 62.54,63.14 62.52,63.23 62.49,63.32 62.44,63.4 62.38,63.46 62.3,63.51 62.21,63.54 62.12,63.55 61.04,63.55 61,63.56 60.97,63.57 60.94,63.59 60.91,63.61 60.89,63.64 60.88,63.68 60.88,63.71 60.88,63.75 60.89,63.78 60.91,63.81 60.94,63.84 60.97,63.86 61,63.87 61.04,63.87 62.12,63.87 62.21,63.88 62.3,63.91 62.38,63.96 62.44,64.03 62.49,64.11 62.52,64.19 62.54,64.29 62.54,64.34 62.52,64.43 62.49,64.52 62.44,64.6 62.38,64.66 62.3,64.71 62.21,64.74 62.12,64.75 61.04,64.75 61,64.76 60.97,64.77 60.94,64.79 60.91,64.81 60.89,64.84 60.88,64.88 60.88,64.91 60.88,64.95 60.89,64.98 60.91,65.01 60.94,65.04 60.97,65.06 61,65.07 61.04,65.07 62.12,65.07 62.21,65.08 62.3,65.11 62.38,65.16 62.44,65.23 62.49,65.31 62.52,65.39 62.54,65.49 62.54,65.54 62.52,65.63 62.49,65.72 62.44,65.8 62.38,65.86 62.3,65.91 62.21,65.94 62.12,65.95 61.04,65.95 61,65.96 60.97,65.97 60.94,65.99 60.91,66.01 60.89,66.04 60.88,66.08 60.88,66.11 60.88,66.15 60.89,66.18 60.91,66.21 60.94,66.24 60.97,66.26 61,66.27 61.04,66.27 62.12,66.27 62.21,66.28 62.3,66.31 62.38,66.36 62.44,66.43 62.49,66.51 62.52,66.59 62.54,66.69 62.54,66.74 62.52,66.83 62.49,66.92 62.44,67 62.38,67.06 62.3,67.11 62.21,67.14 62.12,67.15 61.04,67.15 61,67.16 60.97,67.17 60.94,67.19 60.91,67.21 60.89,67.24 60.88,67.28 60.88,67.31 60.88,67.35 60.89,67.38 60.91,67.41 60.94,67.44 60.97,67.46 61,67.47 61.04,67.47 61.29,67.47 61.38,67.48 61.47,67.51 61.55,67.56 61.62,67.63 61.67,67.71 61.7,67.79 61.71,67.89 61.71,68.79 61.62,68.87 61.6,68.9 61.59,68.94 61.58,68.97 61.58,69.01 61.59,69.04 61.6,69.07 61.62,69.1 61.8,69.28 61.86,69.35 61.9,69.44 61.92,69.53 61.92,69.62 61.9,69.71 61.86,69.79 61.8,69.87 61.77,69.9 61.7,69.96 61.61,70 61.52,70.02 61.43,70.02 61.34,70 61.26,69.96 61.18,69.9 60.48,69.2 60.46,69.18 60.43,69.17 60.39,69.16 60.36,69.16 60.32,69.17 60.29,69.18 60.27,69.2 60.26,69.21 60.24,69.24 60.22,69.27 60.21,69.3 60.21,69.34 60.22,69.37 60.24,69.4 60.26,69.43 60.96,70.13 61.01,70.2 61.05,70.29 61.07,70.38 61.07,70.47 61.05,70.56 61.01,70.64 60.96,70.72 60.92,70.75 60.85,70.81 60.76,70.85 60.67,70.87 60.58,70.87 60.49,70.85 60.41,70.81 60.33,70.75 59.74,70.16 59.73,70.16 59.51,70.38 59.51,70.39 60.11,70.98 60.17,71.05 60.21,71.13 60.23,71.22 60.23,71.32 60.21,71.41 60.17,71.49 60.11,71.56 60.07,71.6 60,71.66 59.92,71.7 59.82,71.72 59.73,71.72 59.64,71.7 59.56,71.66 59.49,71.6 59.31,71.42 59.28,71.4 59.25,71.38 59.21,71.37 59.17,71.37 59.14,71.38 59.11,71.4 59.08,71.42 53.83,76.67 53.83,86.91 v2(54.33,87.4)
/Principal/BANKS_HP/FMC_HA_15_N: length 55.2
  TOP_L1.Sig w0.127: U1.L8 v2(49.2,55.57) ; J5.F17 52.38,84.19 v2(51.79,83.59)
  L5.Sig w0.089: v2(49.2,55.57) 48.82,55.95 48.82,56.94 48.83,56.95 60.14,56.95 61.71,58.52 61.71,67.4 55.09,74.01 55.02,74.07 54.93,74.11 54.84,74.13 54.75,74.13 54.66,74.11 54.58,74.07 54.5,74.01 54.16,73.66 54.13,73.64 54.1,73.63 54.06,73.62 54.03,73.62 53.99,73.63 53.96,73.64 53.93,73.66 53.91,73.69 53.89,73.73 53.88,73.76 53.88,73.8 53.89,73.83 53.91,73.86 53.93,73.89 54.68,74.64 54.72,74.69 54.74,74.74 54.75,74.8 54.75,74.86 54.74,74.91 54.72,74.97 54.68,75.01 54.43,75.26 54.38,75.3 54.33,75.32 54.27,75.34 54.21,75.34 54.16,75.32 54.1,75.3 54.06,75.26 53.31,74.51 53.28,74.49 53.25,74.48 53.21,74.47 53.18,74.47 53.14,74.48 53.11,74.49 53.08,74.51 53.06,74.54 53.04,74.57 53.04,74.61 53.04,74.64 53.04,74.68 53.06,74.71 53.08,74.74 53.83,75.49 53.87,75.54 53.89,75.59 53.91,75.65 53.91,75.7 53.89,75.76 53.87,75.81 53.83,75.86 53.58,76.11 53.53,76.15 53.48,76.17 53.42,76.19 53.37,76.19 53.31,76.17 53.26,76.15 53.21,76.11 52.46,75.36 52.43,75.34 52.4,75.32 52.36,75.32 52.33,75.32 52.29,75.32 52.26,75.34 52.23,75.36 52.21,75.39 52.2,75.42 52.19,75.46 52.19,75.49 52.2,75.53 52.21,75.56 52.23,75.59 52.58,75.94 52.64,76.01 52.68,76.09 52.7,76.18 52.7,76.28 52.68,76.37 52.64,76.45 52.58,76.52 52.56,76.54 52.56,82.6 53.05,83.09 53.3,83.09 53.56,83.34 53.56,83.85 53.3,84.1 52.79,84.1 52.29,83.59 51.78,83.59
